# Altium PCB PCB.PcbDoc (part 1 of 3) (continued)
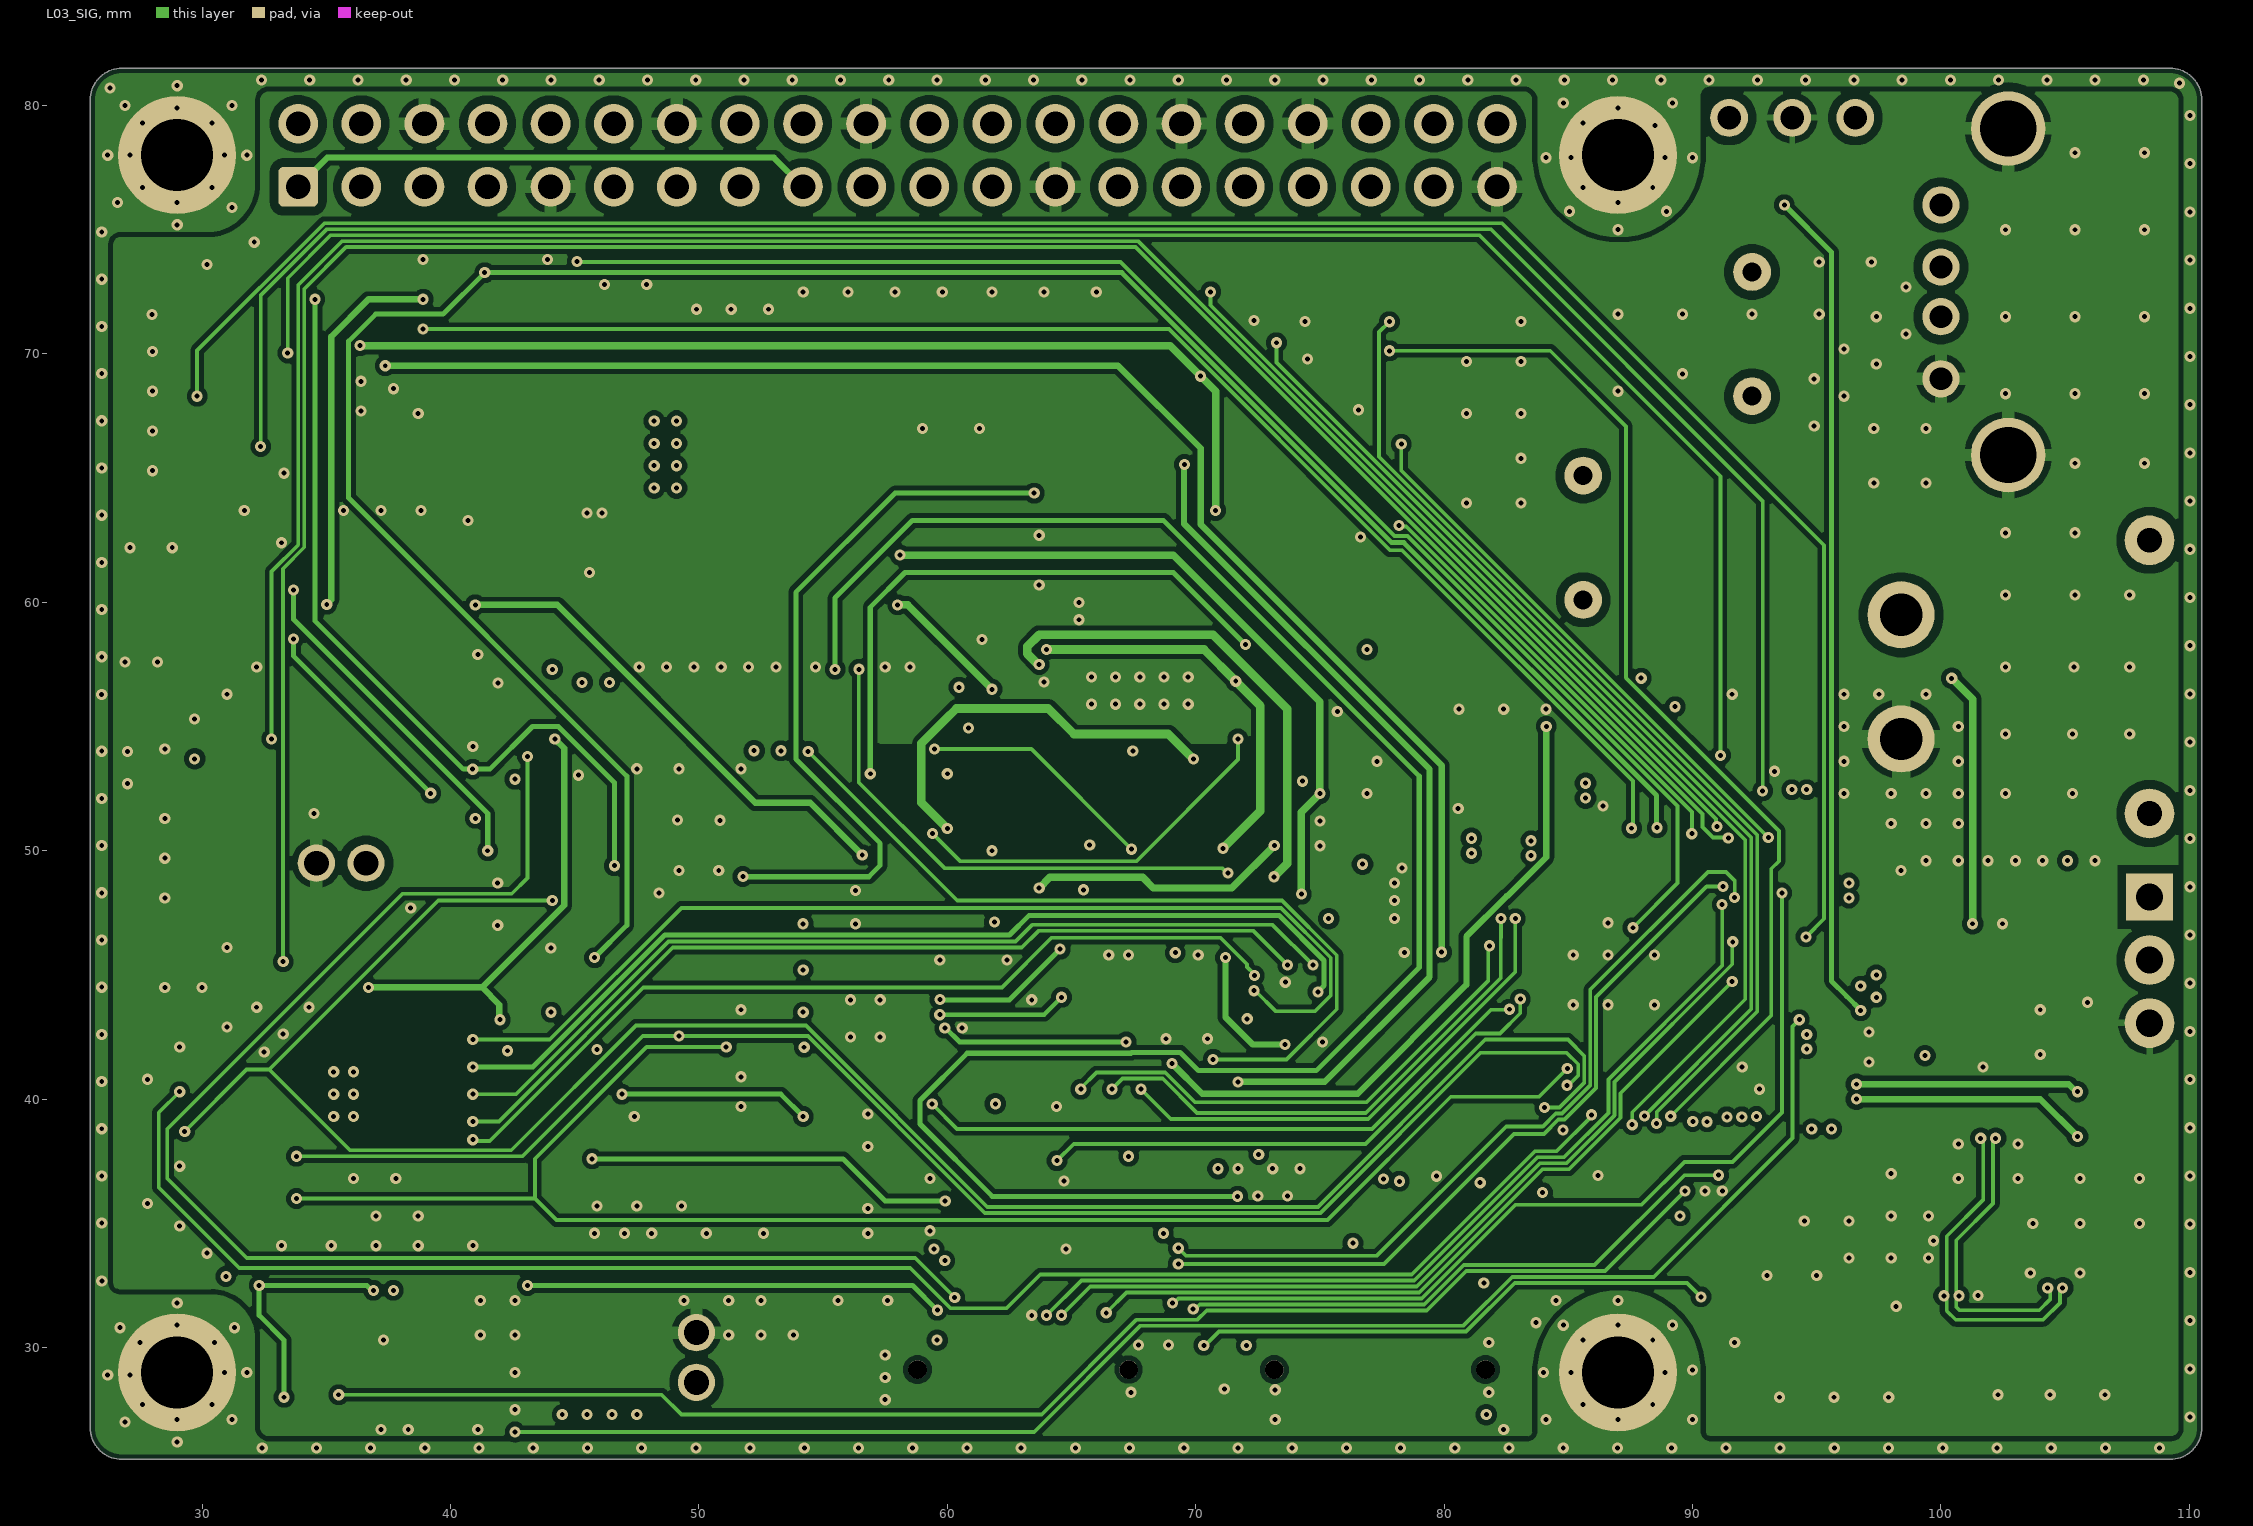
[diagram p3: L03_SIG]
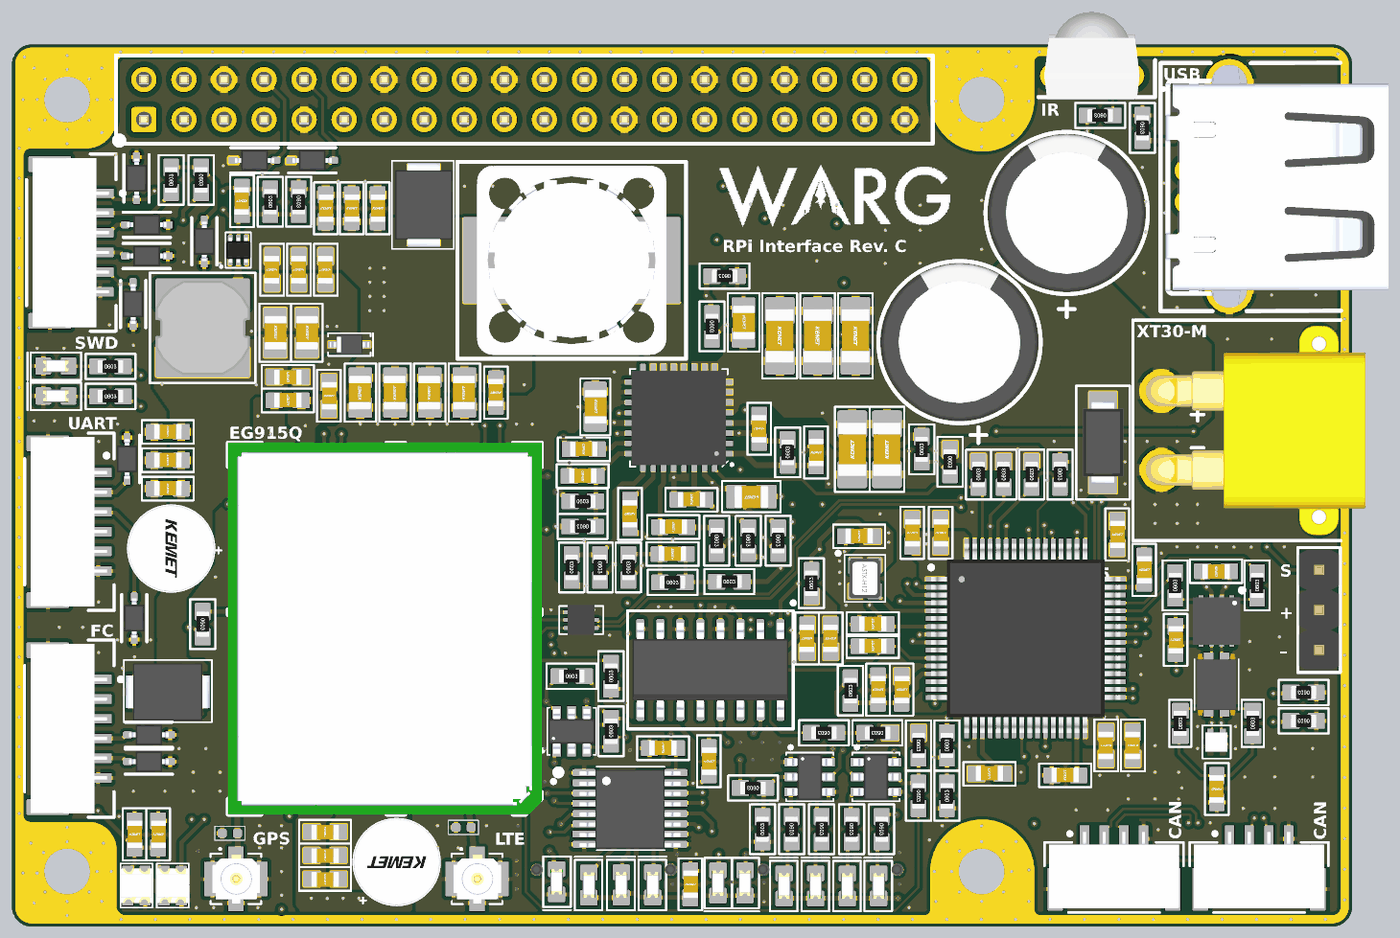
[diagram p6: 3D render of the assembled board from above, using the file's embedded part models]
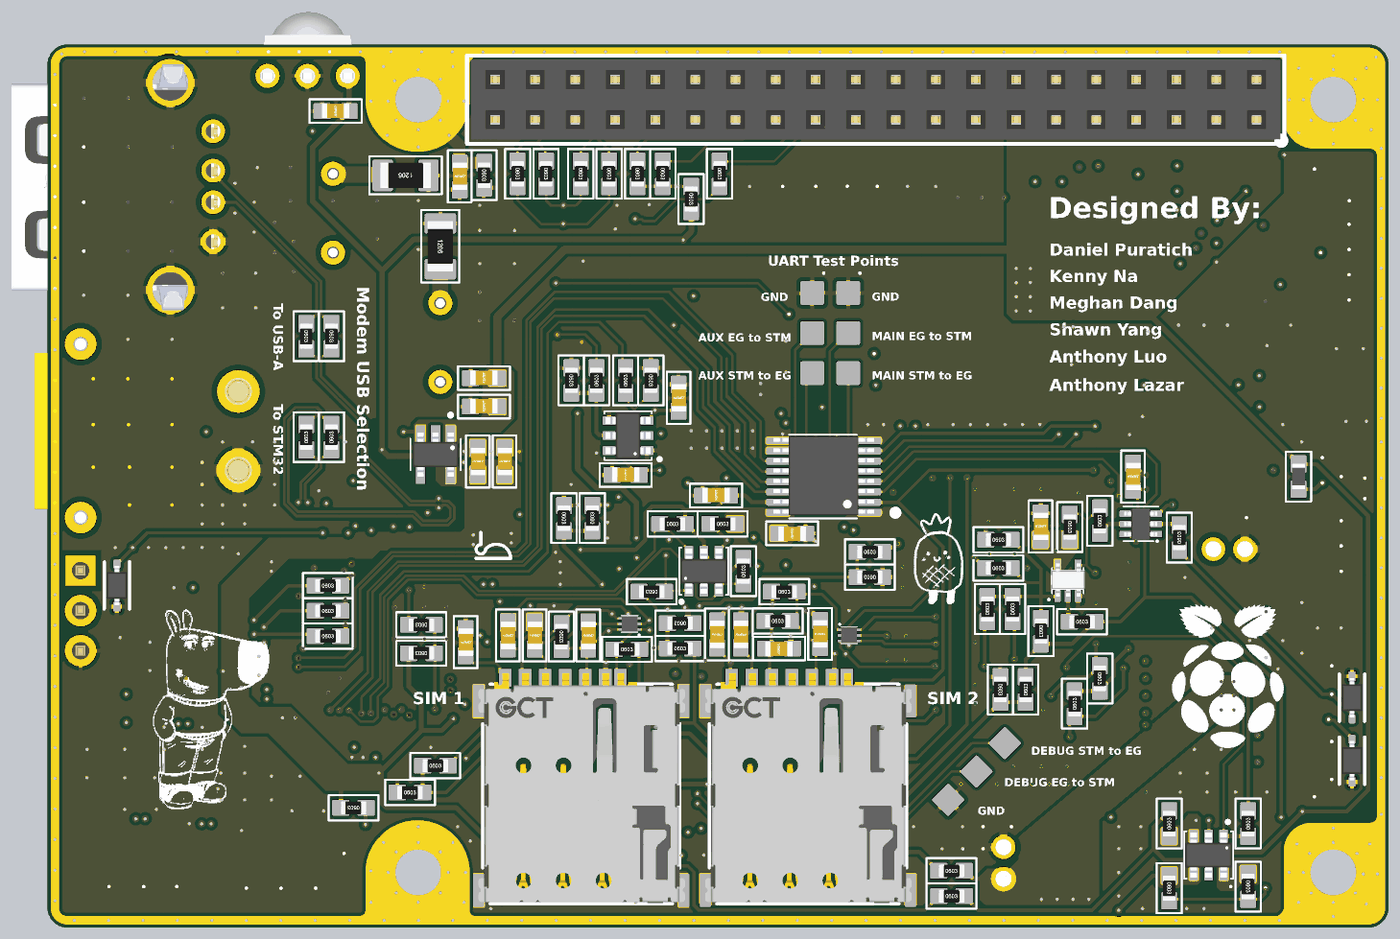
[diagram p7: 3D render of the assembled board from below, using the file's embedded part models]

## Layer stack, top to bottom
Top Solder: solder mask 0.0102, Solder Resist, Dk 3.8
L01_SIG/PWR: signal copper 0.035
Dielectric 1: prepreg 0.2104, PP-006, Dk 4.4
L02_GND: signal copper 0.0152
Core 1: dielectric 1.065, FR-4, Dk 4.6
L03_SIG: signal copper 0.0152
Dielectric 2: prepreg 0.2104, PP-006, Dk 4.4
L04_SIG/PWR: signal copper 0.035
Bottom Solder: solder mask 0.0102, Solder Resist, Dk 3.8

## Board outline
25.5,26.77 25.5,80.23 cw(c26.77,80.23) 26.77,81.5 109.23,81.5 cw(c109.23,80.23) 110.5,80.23 110.5,26.77 cw(c109.23,26.77) 109.23,25.5 26.77,25.5 cw(c26.77,26.77)

## Design rules (kind name [scope] priority, off if disabled: settings)
AcuteAngle [All] p1: minimum=7.40000000000000E+0001 checktracksonly=FALSE
BoardOutlineClearance [All] p1: gap=0.2 ignorepadtopadclearanceinfootprint=FALSE except(0.4: Arc-SplitBarrior Arc-SplitContinuation Track-SplitBarrior Track-SplitContinuation SMDPad-SplitBarrior SMDPad-SplitContinuation THPad-SplitBarrior THPad-SplitContinuation Via-SplitBarrior Via-SplitContinuation Fill-SplitBarrior Fill-SplitContinuation Poly-SplitBarrior Poly-SplitContinuation Region-SplitBarrior Region-SplitContinuation Text-SplitBarrior Text-SplitContinuation)
Clearance Clearance_HV [InNetClass('HV') vs Not(InNetClass('HV'))] p1: gap=0.6 ignorepadtopadclearanceinfootprint=FALSE
Clearance [All] p2: gap=0.2 ignorepadtopadclearanceinfootprint=TRUE except(0.089: Arc-Arc Arc-Track Track-Track; 0.1: Arc-SMDPad Arc-THPad Track-SMDPad Track-THPad SMDPad-THPad THPad-THPad; 0.125: Arc-Via Track-Via SMDPad-Via THPad-Via Via-Via; 0.127: SMDPad-SMDPad; 0.15: Arc-Text Track-Text SMDPad-Text THPad-Text Via-Text Fill-Text Poly-Text Region-Text Text-Text; 0.35: THPad-Fill THPad-Poly THPad-Region)
ComponentClearance [All] p1: gap=0.254 collisioncheckmode=3 verticalgap=0.254 showdistances=FALSE donotcheckwithout3dbody=TRUE
DiffPairsRouting DiffPairsRoutingCAN [InDifferentialPair('CAN_D')] p1: maxlimit=0.381 minlimit=0.102 mostfreqgap=0.235 toplayer_prefgap=0.203 toplayer_minwidth=0.102 toplayer_maxwidth=0.381 toplayer_prefwidth=0.149 midlayer1_minwidth=0.089 midlayer1_maxwidth=0.381 midlayer1_prefwidth=0.102 midlayer2_minwidth=0.089 midlayer2_maxwidth=0.381 midlayer2_prefwidth=0.102 bottomlayer_prefgap=0.203 bottomlayer_minwidth=0.102 bottomlayer_maxwidth=0.381 bottomlayer_prefwidth=0.149 impedanceprofiledriven=TRUE impedanceprofileid={DB76469D-0053-41EC-8CE2-6C306A371275} impedanceprofilevalue=120.000000 maxuncoupledlength=12.7
DiffPairsRouting DiffPairsRoutingUSB [InDifferentialPair('RPI_USB_D') OR        InDifferentialPair('EG_USB_D') OR InDifferentialPair('STM_USB_D')] p2: maxlimit=0.127 minlimit=0.089 mostfreqgap=0.127 toplayer_prefgap=0.089 toplayer_minwidth=0.152 toplayer_maxwidth=1.016 toplayer_prefwidth=0.178 midlayer1_mingap=0.127 midlayer1_minwidth=0.152 midlayer1_maxwidth=1.016 midlayer1_prefwidth=0.154 midlayer2_mingap=0.127 midlayer2_minwidth=0.152 midlayer2_maxwidth=1.016 midlayer2_prefwidth=0.154 bottomlayer_prefgap=0.089 bottomlayer_minwidth=0.152 bottomlayer_maxwidth=1.016 bottomlayer_prefwidth=0.178 impedanceprofiledriven=TRUE impedanceprofileid={050B5B86-4CB7-457B-8C28-5D4768B11BAC} impedanceprofilevalue=90.000000 maxuncoupledlength=12.7
HoleSize [All] p1: absolutevalues=TRUE maxlimit=6.3 minlimit=0.2 maxpercent=80.000 minpercent=20.000
MinimumAnnularRing [All] p1: minimumring=0
MinimumSolderMaskSliver [All] p1: minsoldermaskwidth=0.05
PasteMaskExpansion [All] p1: expansion=0 percent=-40.000000
PlaneConnect PlaneConnect_1 [InNet('GND')] p1: planeconnectstyle=Relief reliefexpansion=0.508 reliefentries=4 reliefconductorwidth=0.254 reliefairgap=0.254
PlaneConnect [All] p2: planeconnectstyle=Direct reliefexpansion=0.508 reliefentries=4 reliefconductorwidth=0.254 reliefairgap=0.254
PolygonConnect [HasFootprint('CONN PLUG 60POS SMD GOLD-CONTROLLER BOARD') or InNet('GND')] p1: thpad.connectstyle=Relief thpad.reliefconductorwidth=0.254 thpad.reliefentries=4 thpad.polygonreliefangle="90 Angle" thpad.airgapwidth=0.254 smdpad.connectstyle=Relief smdpad.reliefconductorwidth=0.254 smdpad.reliefentries=4 smdpad.polygonreliefangle="90 Angle" smdpad.airgapwidth=0.254 via.connectstyle=Direct via.reliefconductorwidth=0.254 via.reliefentries=4 via.polygonreliefangle="90 Angle" via.airgapwidth=0.254
PolygonConnect PolygonConnect_1 [All] p2: connectstyle=Direct reliefconductorwidth=0.508 reliefentries=4 polygonreliefangle="90 Angle" airgapwidth=0.254
RoutingCorners [All] p1: cornerstyle=Round minsetback=2.54 maxsetback=2.54
RoutingVias [All] p1: holewidth=0.3 width=0.5 viastyle="Through Hole" minholewidth=0.2 minwidth=0.41 maxholewidth=1 maxwidth=2
SilkToSilkClearance [All] p1: silktosilkclearance=0
SilkToSolderMaskClearance [IsPad] p1: minsilkscreentomaskgap=0.05 clearancetoexposedcopper=TRUE
SolderMaskExpansion ViaSolderMaskExpansion [IsVia] p1: expansion=0.102 istentingtop=TRUE
SolderMaskExpansion [All] p2: expansion=0.05 istentingtop=FALSE
SupplyNets "Schematic Supply Nets_1" [InNet('+5V1')] p1: voltage=0.000
SupplyNets "Schematic Supply Nets_14" [InNet('CGND')] p2: voltage=0.000
SupplyNets "Schematic Supply Nets_13" [InNet('FCC_5V')] p3: voltage=0.000
SupplyNets "Schematic Supply Nets_12" [InNet('+3V8')] p4: voltage=0.000
SupplyNets "Schematic Supply Nets_11" [InNet('FCG_5V')] p5: voltage=0.000
SupplyNets "Schematic Supply Nets_10" [InNet('FCU_5V')] p6: voltage=0.000
SupplyNets "Schematic Supply Nets_9" [InNet('+3V3')] p7: voltage=0.000
SupplyNets "Schematic Supply Nets_6" [InNet('VBUS')] p8: voltage=0.000
SupplyNets "Schematic Supply Nets_5" [InNet('RPI_3V3')] p9: voltage=0.000
SupplyNets "Schematic Supply Nets_3" [InNet('+1V8')] p10: voltage=0.000
SupplyNets "Schematic Supply Nets" [InNet('SGND')] p11: voltage=0.000
SupplyNets "Schematic Supply Nets_2" [InNet('GND')] p12: voltage=0.000
Width [All] p1: maxlimit=2.54 minlimit=0.102 preferedwidth=0.203
21 further rules are at their usual default settings.

## Classes and differential pairs
component class U_Power: C20 C21 C22 C23 C24 C25 C26 C27 C28 C29 C30 C31 C32 C33 C34 C35 C36 C37 C38 C39 C40 C41 C42 C43 C44 C45 C46 C47 C48 C49 C50 C51 C52 C53 C54 C55 C56 D11 D12 D13 D14 L1 L2 NT1 R25 R26 R27 R28 R29 R30 R31 R32 R33 R34 R35 R36 R37 R38 R39 R40 R41 U6 U7 U8
component class U_Passthrough: C78 C79 D23 D24 D25 D26 D27 D28 D29 D30 D31 Q2 R61 R62 R63 R64 R65 R66 R67 R68 R69 R70 R71 R72 R73 U10
component class U_Modem: C58 C59 C60 C61 C62 C63 C64 C65 C66 C67 C68 C69 C70 C71 C72 C73 C74 C75 C76 C77 D15 D16 D17 D18 D19 D20 D21 D22 D35 FL2 J13 J14 Q1 Q6 Q7 R9 R48 R49 R50 R51 R52 R53 R54 R55 R56 R58 R59 R60 R126 R127 R128 R129 R130 R131 R132 R133 R134 t U9
component class U_Microcontroller: C1 C2 C3 C4 C5 C6 C7 C8 C9 C10 C11 C12 C13 C14 C15 C16 C17 C18 C19 D1 D2 D3 D4 D5 D6 D7 D8 D9 D10 FL1 R1 R2 R3 R4 R5 R6 R7 R8 R10 R11 R12 R13 R14 R15 R16 R17 R18 R19 R20 R21 R22 R23 R24 U1 U2 U3 U4 U5 X1
component class U_LevelShifters: C80 C81 C82 C83 J15 J16 J17 Q3 Q4 Q5 R74 R75 R76 R77 R88 R89 R90 R91 R92 R93 R94 R95 U11 U12
component class U_AnalogSense: C84 C85 C86 D32 D33 D34 R106 R107 R108 R109 R110 R111 R112 R113 R114 R115 R116 R117 R118 R119 R120 R123 R124 R125 U13
component class Overview: C57 F1 J1 J2 J3 J4 J5 J6 J7 J8 J9 J11 J12 MH1 MH2 MH3 MH4 R42 R43 R44 R45 R46 R47
differential pair STM_USB_D: +STM_USB_D_P -STM_USB_D_N
differential pair RPI_USB_D: +RPI_USB_D_P -RPI_USB_D_N
differential pair EG_USB_D: +EG_USB_D_P -EG_USB_D_N
differential pair CAN_D: +CAN_D_P -CAN_D_N

## Components (designator, comment, footprint, x,y, rotation, side; value= is the part's Value field where it differs from the comment)
C1 "CL10B104KB8NNNC" .CAP_0603-Footprint-1 33.273,31.36 r270 top
C2 "CL10B104KB8NNNC" .CAP_0603-Footprint-1 34.773,31.36 r270 top
C3 "GRM188R61E225KA12D" .CAP_0603-Footprint-1 97.31,48.15 r270 top value=2.2uF
C4 "GRM188R61E225KA12D" .CAP_0603-Footprint-1 92.3,35.1 r0 top value=2.2uF
C5 "GCM188R71C104KA37D" .CAP_0603-Footprint-1 82.6,50.5 r270 top value=0.1uF
C6 "GCM188R71C104KA37D" .CAP_0603-Footprint-1 68.528,28.187 r270 top value=0.1uF
C7 "CC0603KRX7R8BB103" .CAP_0603-Footprint-1 79.237,50.273 r0 top
C8 "GCM188R71C104KA37D" .CAP_0603-Footprint-1 80.428,40.547 r270 top value=0.1uF
C9 "GCM188R71C105KA64J" .CAP_0603-Footprint-1 81.927,40.547 r270 top value=1uF
C10 "GCM188R71C104KA37D" .CAP_0603-Footprint-1 87.5,35.2 r0 top value=0.1uF
C11 "GCM188R71C105KA64J" .CAP_0603-Footprint-1 94.9,37 r90 top value=1uF
C12 "GCM188R71C104KA37D" .CAP_0603-Footprint-1 95.6,50.4 r270 top value=0.1uF
C13 "GCM188R71C105KA64J" .CAP_0603-Footprint-1 84.4,50.5 r270 top value=1uF
C14 "GRM188C71C475KE21D" .CAP_0603-Footprint-1 96.6,37 r90 top
C15 "GCM188R71C104KA37D" .CAP_0603-Footprint-1 92.24,77.273 r180 bottom value=0.1uF
C16 "GCM188R71C104KA37D" .CAP_0603-Footprint-1 80.1,44.7 r0 top value=0.1uF
C17 "CL10B104KA8NNNC" .CAP_0603-Footprint-1 101.875,48.062 r180 top
C18 "GCM188R71C104KA37D" .CAP_0603-Footprint-1 99.3,43.7 r270 top value=0.1uF
C19 "GCM188R71H472KA37D" .CAP_0603-Footprint-1 101.921,34.236 r90 top value=4.7nF
C20 "CC1206KKX7R0BB225" .CAP_1206-Footprint-1 74.2,63 r270 top
C21 "CC1206KKX7R0BB225" .CAP_1206-Footprint-1 76.6,63 r270 top
C22 "CC1206KKX7R0BB225" .CAP_1206-Footprint-1 79,63 r270 top
C23 "CC1206KKX7R0BB225" .CAP_1206-Footprint-1 78.8,55.8 r90 top
C24 "CC1206KKX7R0BB225" .CAP_1206-Footprint-1 81,55.8 r90 top
C25 "EEU-FS1K101" EEU-FS1K101-Footprint-1 85.6,62.6 r90 top
C26 "EEU-FS1K101" EEU-FS1K101-Footprint-1 92.4,70.8 r90 top
C27 "GRM21BC72A105KE01L" .CAP_0805-Footprint-1 71.9,63.85 r270 top value=1uF
C28 "CC0603KRX7R0BB104" .CAP_0603-Footprint-1 72.9,57.1 r90 top value=100nF
C29 "GCM188R71C104KA37D" .CAP_0603-Footprint-1 47.048,71.102 r270 top value=0.1uF
C30 "GCM188R71C105KA64J" .CAP_0603-Footprint-1 48.7,71.1 r270 top value=1uF
C31 "GMC21X7R106K25NT" .CAP_0805-Footprint-1 54.2,59.4 r90 top
C32 "GMC21X7R106K25NT" .CAP_0805-Footprint-1 52,59.4 r90 top
C33 "GMC21X7R106K25NT" .CAP_0805-Footprint-1 49.8,59.4 r90 top
C34 "GMC21X7R106K25NT" .CAP_0805-Footprint-1 47.6,59.4 r90 top
C35 "GRM188C71C475KE21D" .CAP_0603-Footprint-1 56.2,59.4 r90 top
C36 "GRM21BC72A105KE01L" .CAP_0805-Footprint-1 72.4,52.8 r180 top value=1uF
C37 "CC0603KRX7R0BB104" .CAP_0603-Footprint-1 67.45,50.866 r0 top value=100nF
C38 "CC0603KRX7R8BB103" .CAP_0603-Footprint-1 67.4,49.155 r0 top
C39 ".CAP_0603_DNP" .CAP_0603-Footprint-1 76.5,55.6 r270 top value=DNP
C40 "GRM21BR61H475ME51L" CAP0805-Footprint-2 62.5,58.5 r270 top value=4.7uF
C41 "EMK107BB7225KA-T" .CAP_0603-Footprint-1 68.6,52.6 r0 top
C42 "CC0603KRX7R8BB103" .CAP_0603-Footprint-1 61.7,54.1 r0 top
C43 "CC0603KRX7R7BB224" .CAP_0603-Footprint-1 64.7,51.7 r90 top
C44 "EMK107BB7225KA-T" .CAP_0603-Footprint-1 61.775,55.8 r0 top
C45 "GCM188R71C105KA64J" .CAP_0603-Footprint-1 45.4,67.2 r90 top value=1uF
C46 "GCM188R71C105KA64J" .CAP_0603-Footprint-1 43.7,67.2 r90 top value=1uF
C47 "GCM188R71C104KA37D" .CAP_0603-Footprint-1 42,67.2 r90 top value=0.1uF
C48 "GRM188C71C475KE21D" .CAP_0603-Footprint-1 45.4,71.1 r270 top
C49 "CC0603JRNPO9BN220" .CAP_0603-Footprint-1 40.095,71.565 r90 top value=22pF
C50 "CL21A106KOQNNNE" .CAP_0805-Footprint-1 42.2,63.2 r270 top value=10uF
C51 "CL21A106KOQNNNE" .CAP_0805-Footprint-1 44.2,63.2 r270 top value=10uF
C52 "GRM188C81E475KE11D" .CAP_0603-Footprint-1 82.834,58.54 r180 bottom value=4.7uF
C53 "GRM188C71C475KE21D" .CAP_0603-Footprint-1 83.227,55.06 r270 bottom
C54 "GCM188R71E105KA64D" .CAP_0603-Footprint-1 43,60.4 r180 top
C55 "GCM188R71E105KA64D" .CAP_0603-Footprint-1 82.834,60.34 r180 bottom
C56 "GCM188R71E105KA64D" .CAP_0603-Footprint-1 81.527,55.06 r270 bottom
C57 "GRM1885C2A102JA01D" .CAP_0603-Footprint-1 84.373,73.14 r270 bottom value=1nF
C58 "GRM1885C2A100JA01D" .CAP_0603-Footprint-1 35.388,56.9 r0 top
C59 "GRM1885C1H330JA01D" .CAP_0603-Footprint-1 35.388,55.1 r0 top
C60 "GCM188R71C104KA37D" .CAP_0603-Footprint-1 35.388,53.3 r0 top value=0.1uF
C61 "ESH107M010AC3AA" ESH107M010AC3AA-Footprint-1 35.6,49.5 r180 top
C62 "GRM1885C2A100JA01D" .CAP_0603-Footprint-1 45.363,31.523 r180 top
C63 "GRM1885C1H330JA01D" .CAP_0603-Footprint-1 45.363,30.023 r180 top
C64 "GCM188R71C104KA37D" .CAP_0603-Footprint-1 45.363,28.523 r180 top value=0.1uF
C65 "ESH107M010AC3AA" ESH107M010AC3AA-Footprint-1 49.9,29.6 r90 top
C66 "CC0603KRX7R8BB103" .CAP_0603-Footprint-1 73.85,54.2 r180 bottom
C67 "CC0603KRX7R8BB103" .CAP_0603-Footprint-1 70.5,59.1 r270 bottom
C68 "GCM188R71C104KA37D" .CAP_0603-Footprint-1 43,58.9 r0 top value=0.1uF
C69 "GCM188R71C105KA64J" .CAP_0603-Footprint-1 45.6,59.2 r270 top value=1uF
C70 "GCM188R71C104KA37D" .CAP_0603-Footprint-1 76.225,44.026 r270 bottom value=0.1uF
C71 "GRM1885C1H330JA01D" .CAP_0603-Footprint-1 81.325,44.026 r270 bottom
C72 "GRM1885C1H330JA01D" .CAP_0603-Footprint-1 84,43.6 r270 bottom
C73 "GRM1885C1H330JA01D" .CAP_0603-Footprint-1 79.625,44.026 r270 bottom
C74 "GCM188R71C104KA37D" .CAP_0603-Footprint-1 61.533,44.122 r270 bottom value=0.1uF
C75 "GRM1885C1H330JA01D" .CAP_0603-Footprint-1 66.554,44.092 r270 bottom
C76 "GRM1885C1H330JA01D" .CAP_0603-Footprint-1 68.069,44.092 r270 bottom
C77 "GRM1885C1H330JA01D" .CAP_0603-Footprint-1 64.132,43.195 r0 bottom
C78 "GCM188R71C104KA37D" .CAP_0603-Footprint-1 47.554,50.937 r270 bottom value=0.1uF
C79 "GCM188R71C104KA37D" .CAP_0603-Footprint-1 41.7,54.1 r270 bottom value=0.1uF
C80 "GCM188R71C104KA37D" .CAP_0603-Footprint-1 63.3,50.5 r0 bottom value=0.1uF
C81 "GCM188R71C104KA37D" .CAP_0603-Footprint-1 68.123,52.9 r180 bottom value=0.1uF
C82 "GCM188R71C104KA37D" .CAP_0603-Footprint-1 66.795,36.825 r0 top value=0.1uF
C83 "GCM188R71C104KA37D" .CAP_0603-Footprint-1 69.7,36 r270 top value=0.1uF
C84 "GCM188R71C104KA37D" .CAP_0603-Footprint-1 75.938,43.794 r90 top value=0.1uF
C85 "GCM188R71C105KA64J" .CAP_0603-Footprint-1 77.438,43.794 r90 top value=1uF
C86 "GCM188R71C104KA37D" .CAP_0603-Footprint-1 80.1,43.3 r0 top value=0.1uF
D1 "LTST-C191KGKT" .LED_0603-Footprint-1 62.096,28.138 r90 top
D2 "LTST-C194TBKT" .LED_0603-Footprint-1 64.146,28.15 r90 top
D3 "LTST-C191KRKT" .LED_0603-Footprint-1 66.146,28.15 r90 top
D4 "DESD5V0U1BA-7" DESD5V0U1BA-7-Footprint-1 37.7,69 r270 top
D5 "PESD2CANFD24U-QCZ" PESD2CANFD24U-QCZ-Footprint-1 101.906,37.424 r0 top
D6 "DESD5V0U1BA-7" DESD5V0U1BA-7-Footprint-1 34.051,70.055 r0 top
D7 "DESD5V0U1BA-7" DESD5V0U1BA-7-Footprint-1 33.189,65.024 r270 top
D8 "DESD5V0U1BA-7" DESD5V0U1BA-7-Footprint-1 34.042,68.072 r0 top
D9 "DESD5V0U1BA-7" DESD5V0U1BA-7-Footprint-1 33.256,45.081 r270 top
D10 "DESD5V0U1BA-7" DESD5V0U1BA-7-Footprint-1 32.798,55.187 r90 top
D11 "SMAJ54CA" SMAJ54CA-Footprint-1 94.7,56.232 r90 top
D12 "SMBJ6.0CA" DO-214AA-Footprint-1 51.62,71.314 r270 top
D13 "BAT60JFILM" BAT60JFILM-Footprint-1 46.9,62.45 r0 top
D14 "DESD5V0U1BA-7" DESD5V0U1BA-7-Footprint-1 33.4,73 r90 top
D15 "SMBJ5.0CA" DO-214AA-Footprint-1 35.38,40.4 r180 top
D16 "AXGD10402KR" AXGD10402KR-Footprint-1 39.317,31.427 r90 top